# KiCad board BMS-Master.kicad_pcb
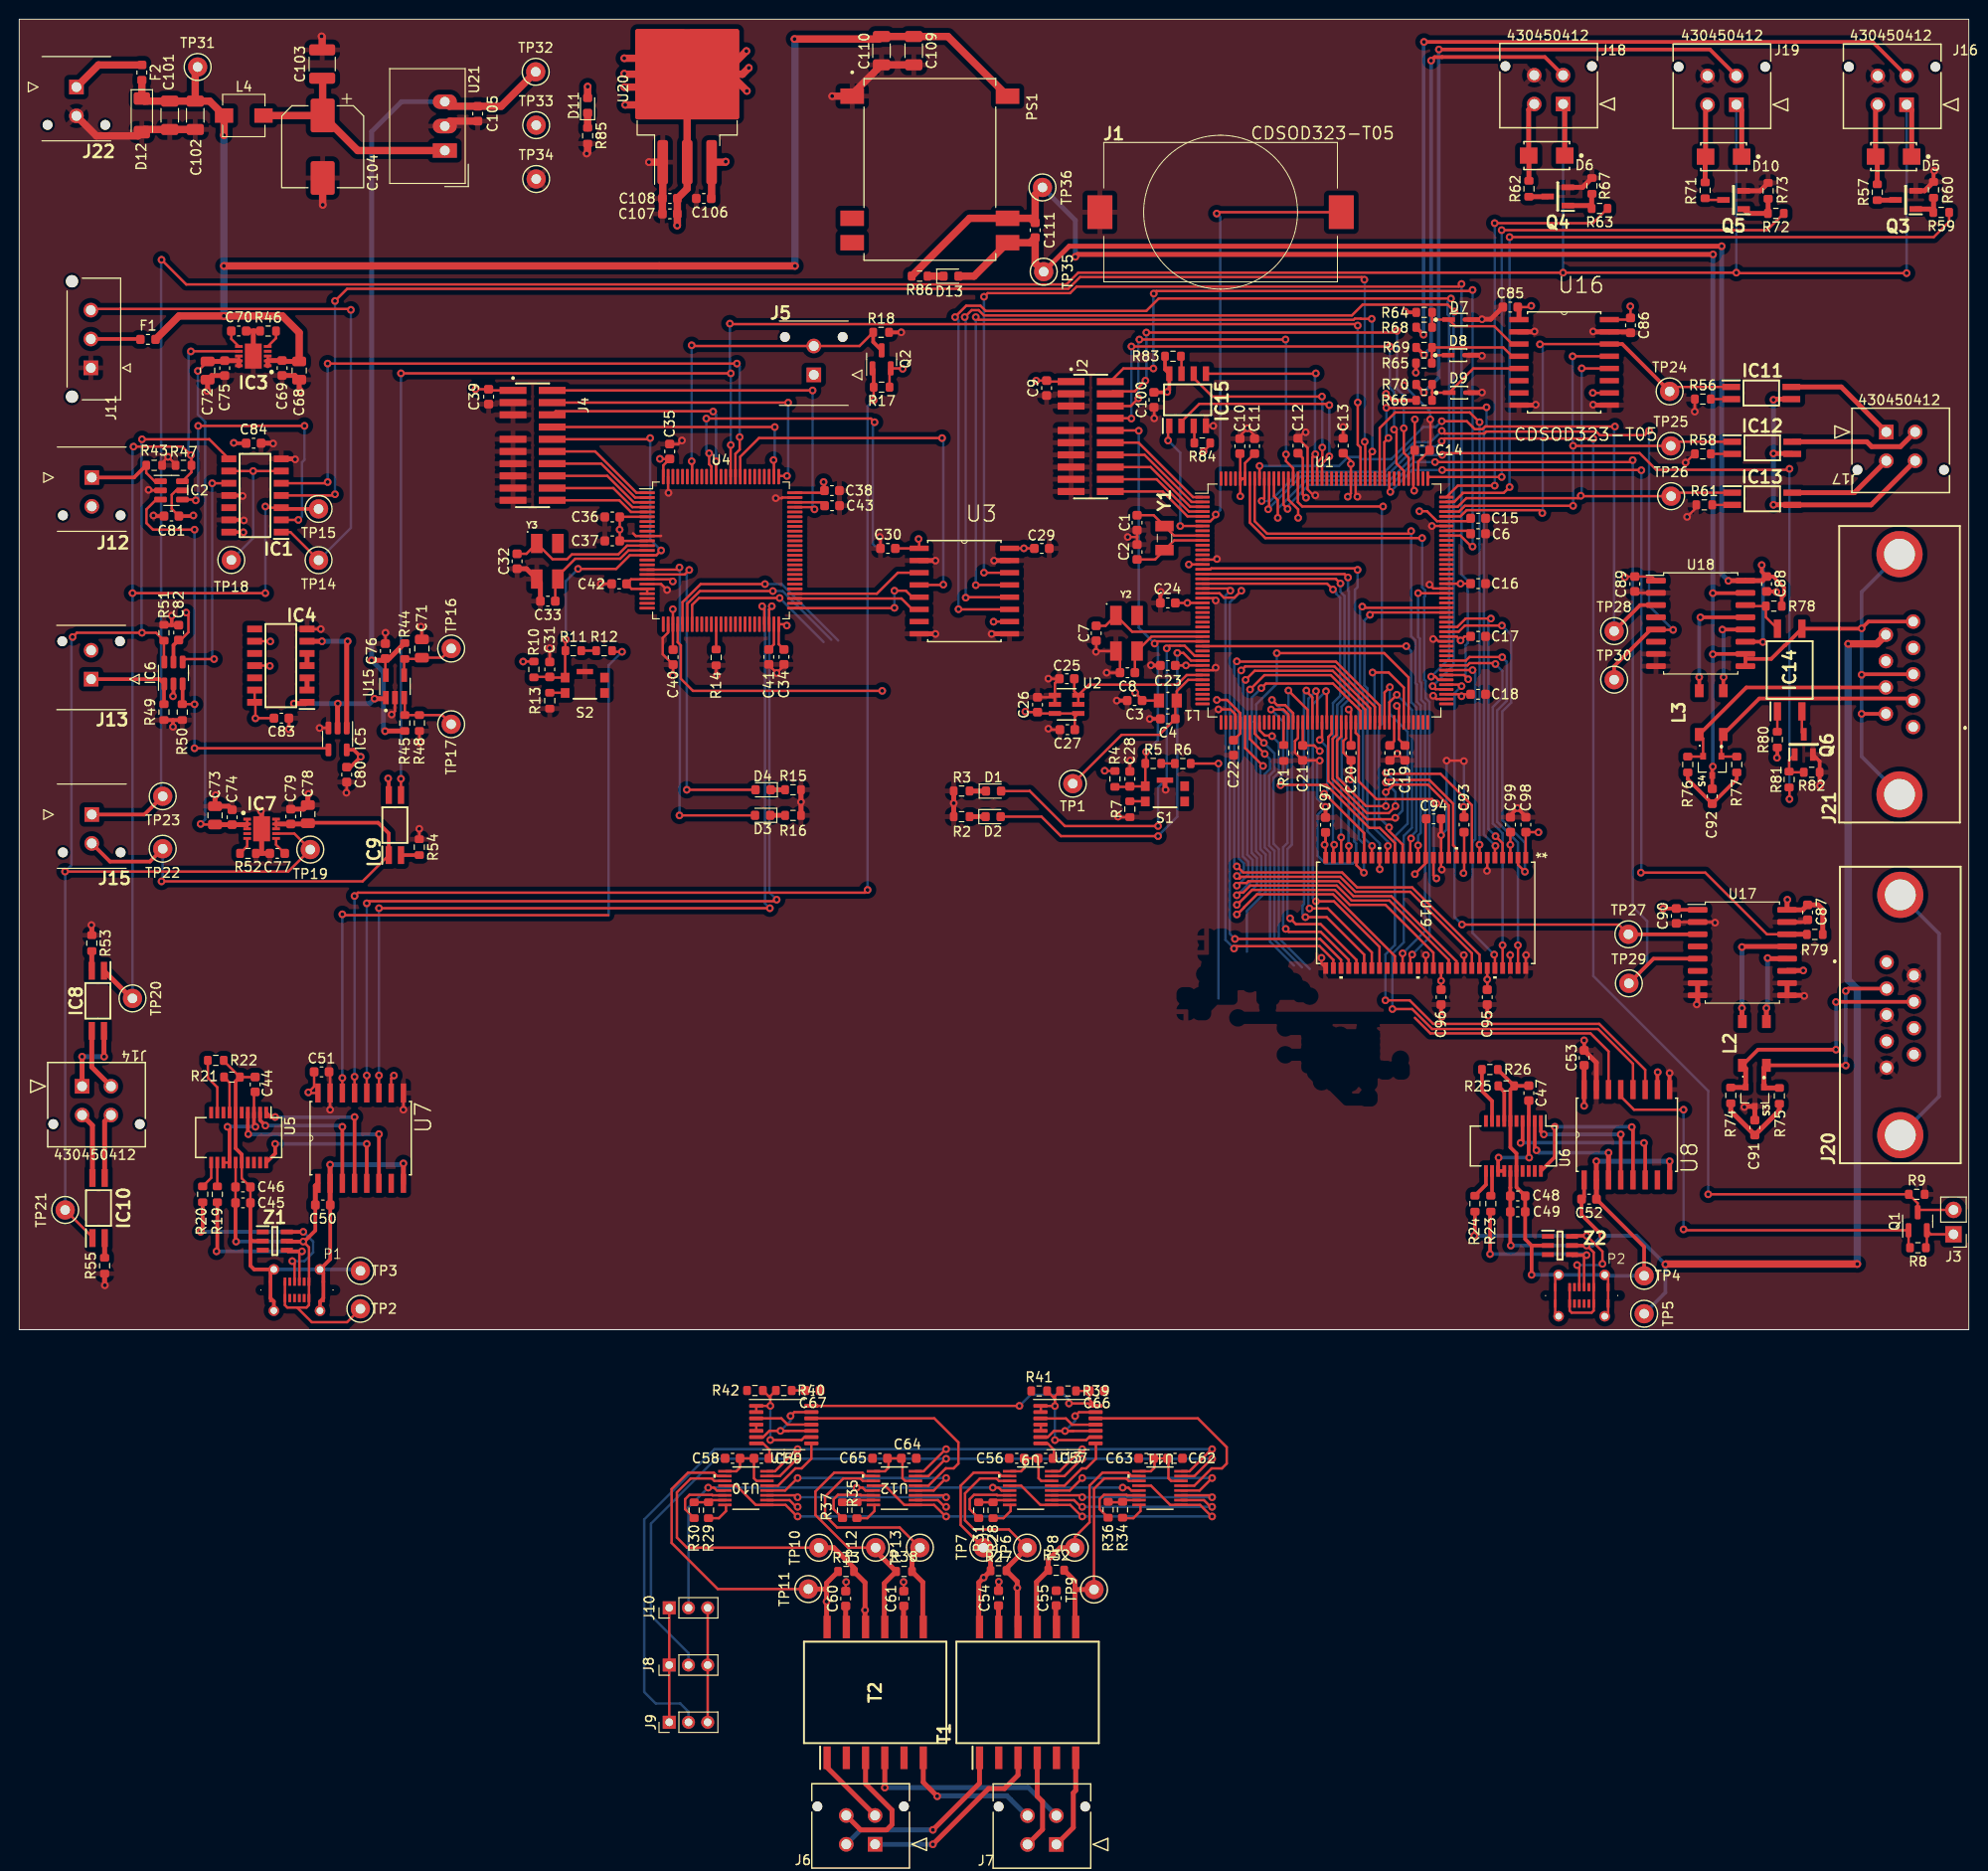
[diagram p0: board, top side]
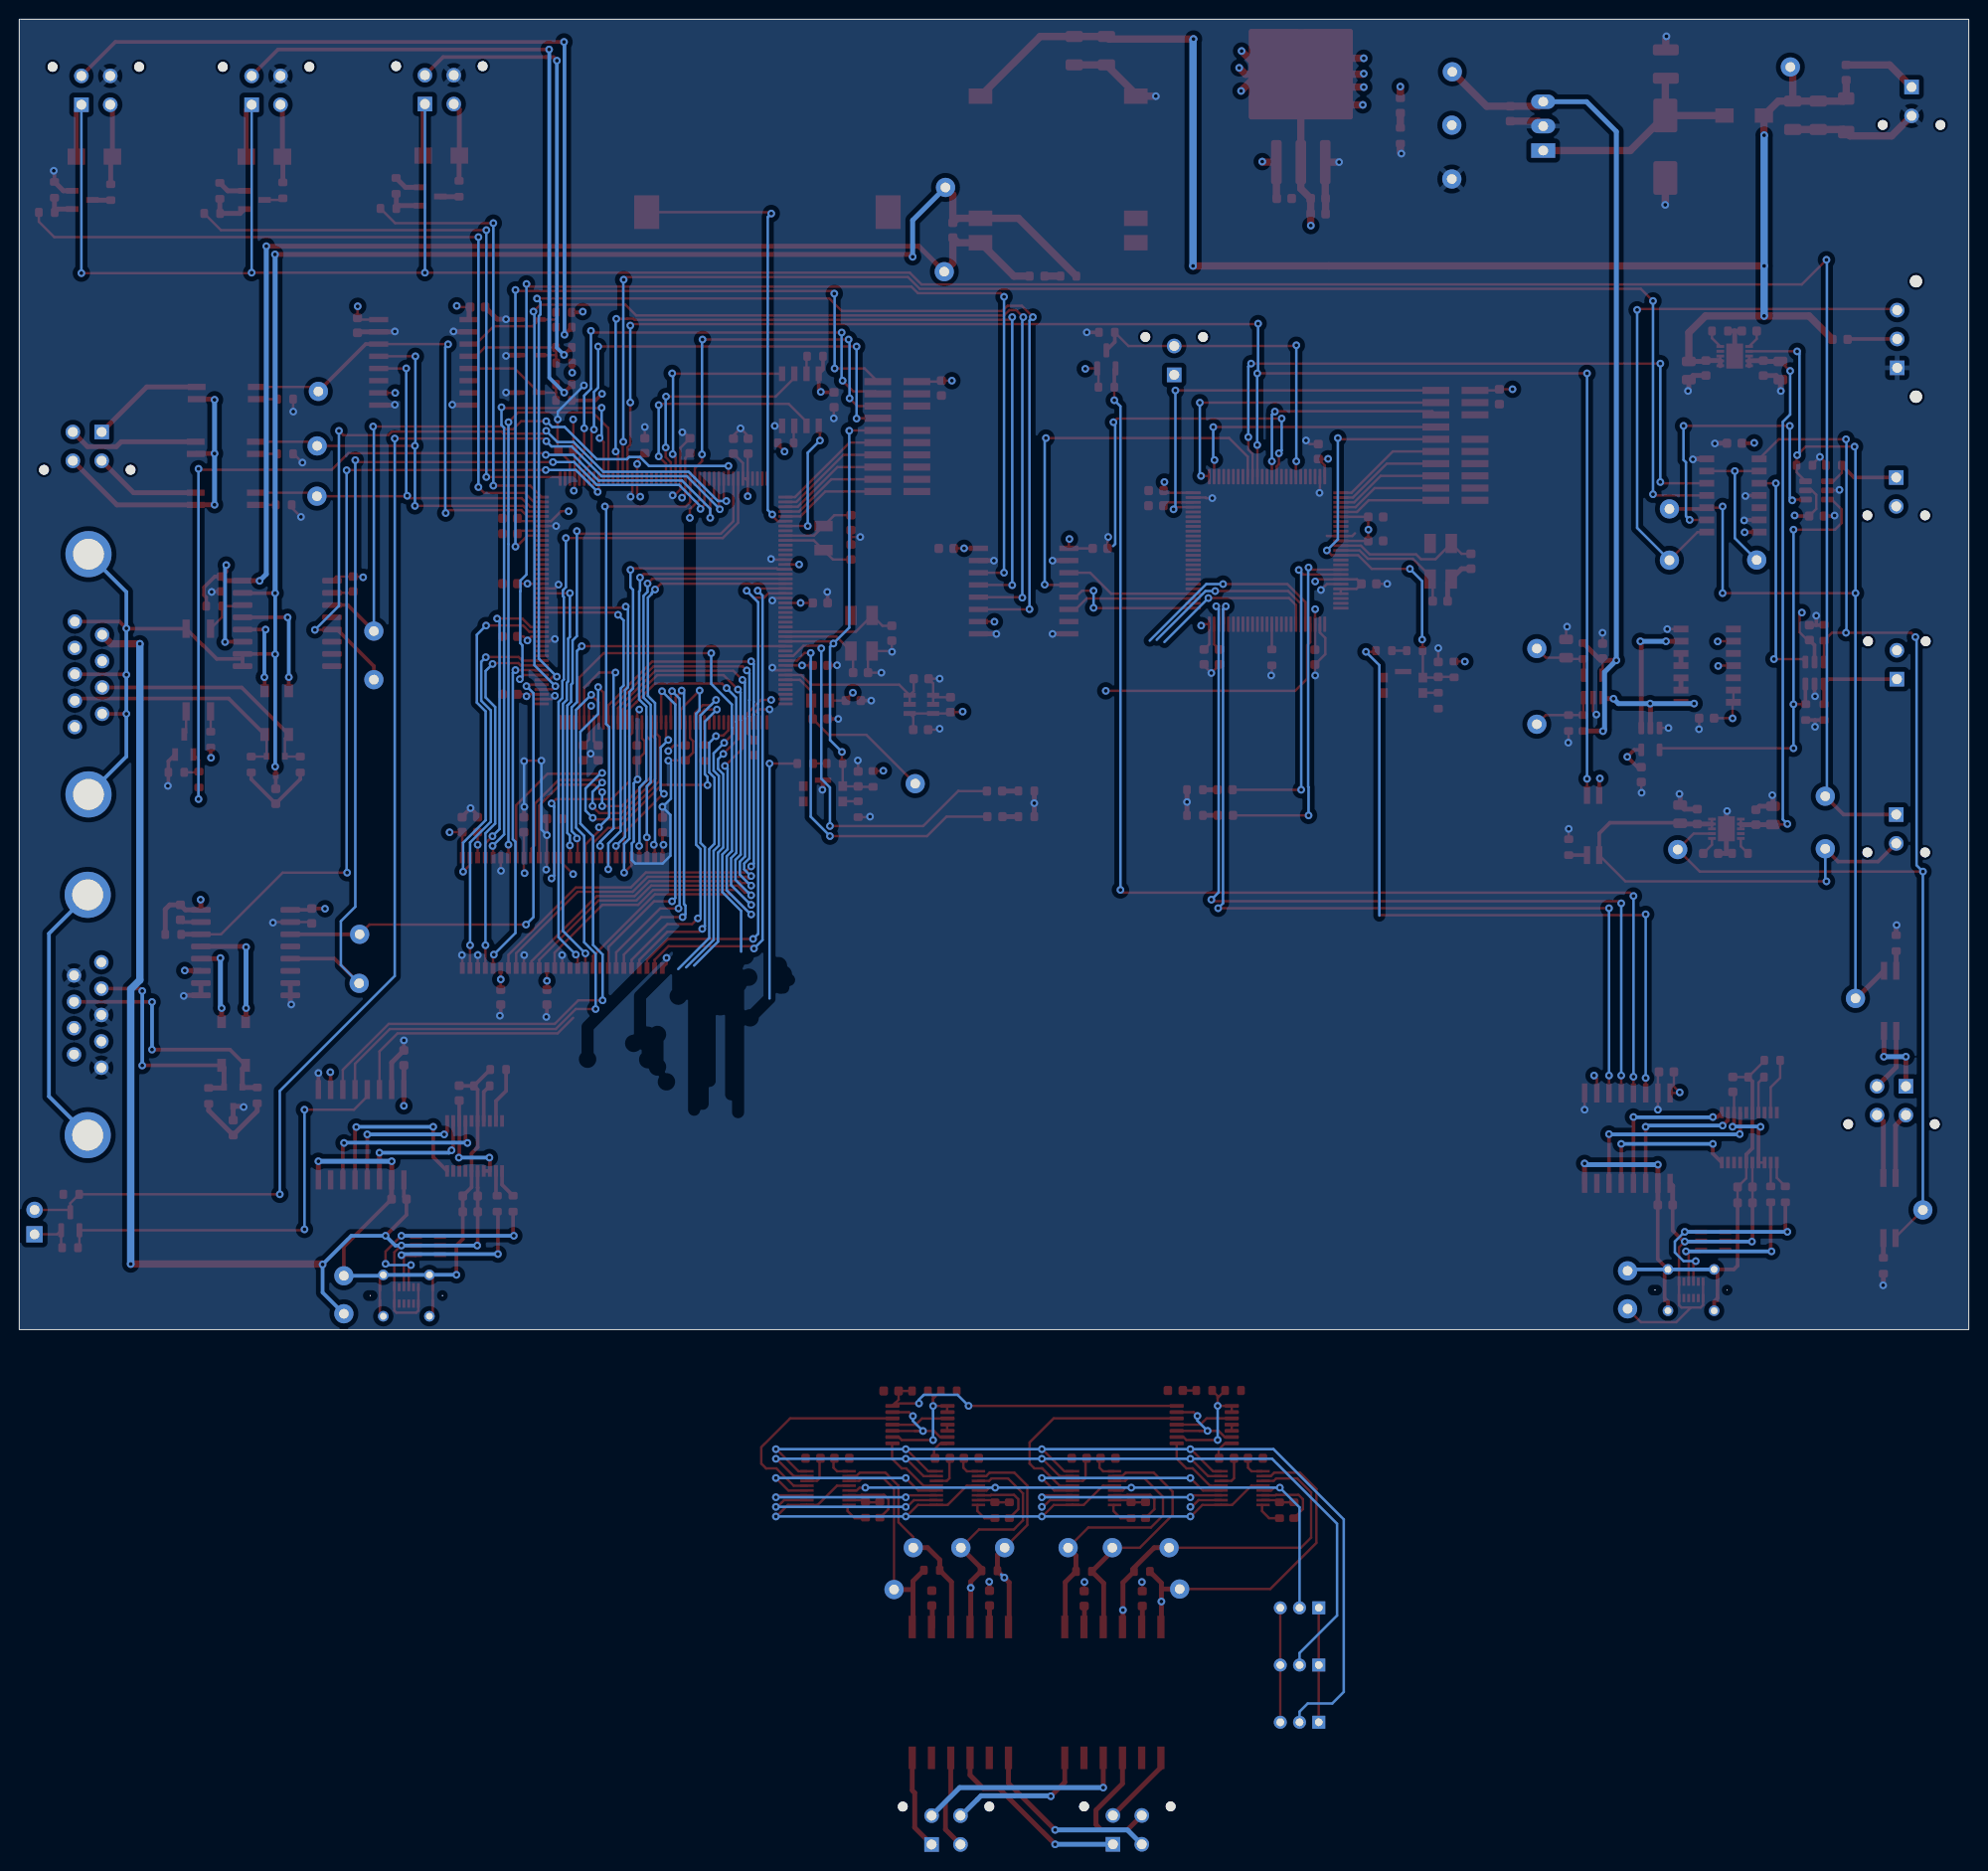
[diagram p1: board, bottom side, seen from below]

Outline 202.69 x 136.28 mm; copper layers: Top, In1.Cu, In2.Cu, Bottom. Coordinates in mm from the lower left corner of the outline.
Outline path: rectangle 0,136.28 202.69,0
Stack: Top 0.035mm / dielectric 0.1mm FR4 er 4.5 / In1.Cu 0.035mm / dielectric 1.24mm FR4 er 4.5 / In2.Cu 0.035mm / dielectric 0.1mm FR4 er 4.5 / Bottom 0.035mm

## Placement (name value [footprint] x y rotation side)
C1  18pF/50V  [C_0603_1608Metric]  116.22 83.92 270 top
C2  18pF/50V  [C_0603_1608Metric]  116.22 80.88 90 top
C3  100nF/50V  [C_0603_1608Metric]  115.97 65.42 180 top
C4  100nF/50V  [C_0603_1608Metric]  119.42 63.52 180 top
C5  2u2/10V  [C_0603_1608Metric]  142.5 59.98 270 top
C6  2u2/10V  [C_0603_1608Metric]  151.68 82.78 0 top
C7  18pF/50V  [C_0603_1608Metric]  111.97 72.42 270 top
C8  18pF/50V  [C_0603_1608Metric]  115.22 68.32 180 top
C9  100nF/50V  [C_0603_1608Metric]  106.82 97.93 270 top
C10  100nF/50V  [C_0603_1608Metric]  126.91 91.88 90 top
C11  100nF/50V  [C_0603_1608Metric]  128.44 91.88 90 top
C12  100nF/50V  [C_0603_1608Metric]  132.96 91.93 90 top
C13  100nF/50V  [C_0603_1608Metric]  137.66 91.93 90 top
C14  100nF/50V  [C_0603_1608Metric]  145.86 91.45 0 top
C15  100nF/50V  [C_0603_1608Metric]  151.68 84.38 0 top
C16  100nF/50V  [C_0603_1608Metric]  151.68 77.58 0 top
C17  100nF/50V  [C_0603_1608Metric]  151.68 72.1 0 top
C18  100nF/50V  [C_0603_1608Metric]  151.68 66.08 0 top
C19  100nF/50V  [C_0603_1608Metric]  144.08 59.98 270 top
C20  100nF/50V  [C_0603_1608Metric]  138.47 59.98 270 top
C21  100nF/50V  [C_0603_1608Metric]  133.44 59.98 270 top
C22  100nF/50V  [C_0603_1608Metric]  126.25 60.53 270 top
C23  100nF/50V  [C_0603_1608Metric]  119.42 69.08 180 top
C24  100nF/50V  [C_0603_1608Metric]  119.42 75.58 180 top
C25  100nF/50V  [C_0603_1608Metric]  108.92 67.7 180 top
C26  1uF/35V  [C_0603_1608Metric]  105.87 65 90 top
C27  100nF/50V  [C_0603_1608Metric]  108.97 62.4 180 top
C28  100nF/50V  [C_0603_1608Metric]  115.47 57.27 90 top
C29  100nF/50V  [C_0603_1608Metric]  106.32 81.25 180 top
C30  100nF/50V  [C_0603_1608Metric]  90.32 81.25 0 top
C31  100nF/50V  [C_0603_1608Metric]  55.16 68.66 90 top
C32  18pF/50V  [C_0603_1608Metric]  51.76 79.91 270 top
C33  18pF/50V  [C_0603_1608Metric]  54.96 75.76 180 top
C34  100nF/50V  [C_0603_1608Metric]  79.51 69.96 270 top
C35  100nF/50V  [C_0603_1608Metric]  67.63 91.33 90 top
C36  100nF/50V  [C_0603_1608Metric]  61.66 84.52 180 top
C37  100nF/50V  [C_0603_1608Metric]  61.66 82.03 180 top
C38  100nF/50V  [C_0603_1608Metric]  84.49 87.26 0 top
C39  100nF/50V  [C_0603_1608Metric]  48.8 97.03 270 top
C40  100nF/50V  [C_0603_1608Metric]  67.98 69.94 270 top
C41  2u2/10V  [C_0603_1608Metric]  77.94 69.96 270 top
C42  100nF/50V  [C_0603_1608Metric]  62.37 77.56 180 top
C43  2u2/10V  [C_0603_1608Metric]  84.51 85.69 0 top
C44  100n/50V  [C_0603_1608Metric]  24.53 25.5 90 top
C45  4u7/25V  [C_0603_1608Metric]  23.26 13.18 0 top
C46  100n/50V  [C_0603_1608Metric]  23.26 14.83 0 top
C47  100n/50V  [C_0603_1608Metric]  156.95 24.6 90 top
C48  4u7/25V  [C_0603_1608Metric]  155.8 13.9 0 top
C49  100n/50V  [C_0603_1608Metric]  155.8 12.25 0 top
C50  100n/50V  [C_0603_1608Metric]  31.56 12.97 180 top
C51  100n/50V  [C_0603_1608Metric]  31.43 26.81 180 top
C52  100n/50V  [C_0603_1608Metric]  163.21 13.57 180 top
C53  100n/50V  [C_0603_1608Metric]  162.71 28.27 270 top
C54  27pF/50V  [C_0603_1608Metric]  101.82 -27.92 270 top
C55  27pF/50V  [C_0603_1608Metric]  107.82 -27.92 270 top
C56  100n/50V  [C_0603_1608Metric]  103.7 -13.38 180 top
C57  100n/50V  [C_0603_1608Metric]  106.7 -13.38 0 top
C58  100n/50V  [C_0603_1608Metric]  74.17 -13.38 180 top
C59  100n/50V  [C_0603_1608Metric]  77.17 -13.38 0 top
C60  27pF/50V  [C_0603_1608Metric]  85.93 -27.97 270 top
C61  27pF/50V  [C_0603_1608Metric]  91.97 -27.97 270 top
C62  100n/50V  [C_0603_1608Metric]  120.17 -13.38 0 top
C63  100n/50V  [C_0603_1608Metric]  117.17 -13.38 180 top
C64  100n/50V  [C_0603_1608Metric]  92.49 -13.38 0 top
C65  100n/50V  [C_0603_1608Metric]  89.49 -13.38 180 top
C66  100n/50V  [C_0603_1608Metric]  112.04 -6.38 0 top
C67  100n/50V  [C_0603_1608Metric]  82.49 -6.33 0 top
C68  10u/50V  [C_0805_2012Metric]  29.11 99.75 270 top
C69  0.1u/50V  [C_0603_1608Metric]  27.33 100.01 270 top
C70  100nF/50V  [C_0603_1608Metric]  22.82 103.86 0 top
C71  68uF/50V  [C_0805_2012Metric]  41.86 70.83 90 top
C72  10u/50V  [C_0805_2012Metric]  19.58 99.75 270 top
C73  10u/50V  [C_0805_2012Metric]  20.36 53.48 90 top
C74  0.1u/50V  [C_0603_1608Metric]  22.13 53.29 90 top
C75  0.1u/50V  [C_0603_1608Metric]  21.36 100 270 top
C76  100n/50V  [C_0603_1608Metric]  38.07 70.57 90 top
C77  100nF/50V  [C_0603_1608Metric]  26.83 49.53 180 top
C78  10u/50V  [C_0805_2012Metric]  30.01 53.61 90 top
C79  0.1u/50V  [C_0603_1608Metric]  28.23 53.36 90 top
C80  100n/50V  [C_0603_1608Metric]  34.05 57.72 270 top
C81  100n/50V  [C_0603_1608Metric]  15.83 84.61 180 top
C82  100n/50V  [C_0603_1608Metric]  16.57 72.49 90 top
C83  100n/50V  [C_0603_1608Metric]  27.26 63.6 0 top
C84  100n/50V  [C_0603_1608Metric]  24.37 92.19 0 top
C85  100nF/50V  [C_0603_1608Metric]  155.03 106.35 0 top
C86  100nF/50V  [C_0603_1608Metric]  167.53 104.45 90 top
C87  100nF/50V  [C_0603_1608Metric]  185.94 43.4 90 top
C88  100nF/50V  [C_0603_1608Metric]  181.68 77.55 90 top
C89  100nF/50V  [C_0603_1608Metric]  167.97 77.55 90 top
C90  100nF/50V  [C_0603_1608Metric]  172.29 43.03 90 top
C91  1uF/35V  [C_0603_1608Metric]  180.45 21.01 90 top
C92  1uF/35V  [C_0603_1608Metric]  176.03 55.47 90 top
C93  100n/50V  [C_0603_1608Metric]  150.22 52.51 90 top
C94  100n/50V  [C_0603_1608Metric]  147.06 53.13 0 top
C95  100n/50V  [C_0603_1608Metric]  152.63 34.58 270 top
C96  100n/50V  [C_0603_1608Metric]  147.83 34.58 270 top
C97  100n/50V  [C_0603_1608Metric]  135.82 52.49 90 top
C98  100n/50V  [C_0603_1608Metric]  156.64 52.51 90 top
C99  100n/50V  [C_0603_1608Metric]  155.04 52.51 90 top
C100  100n/50V  [C_0603_1608Metric]  117.98 96.7 270 top
C101  10uF/50V  [C_1206_3216Metric]  15.65 126.29 270 top
C102  10uF/50V  [C_1206_3216Metric]  18.3 126.29 270 top
C103  10uF/50V  [C_1210_3225Metric]  31.5 131.62 90 top
C104  56uF/50V (8mm diameter)  [CP_Elec_8x10]  31.55 123.02 270 top
C105  100nF/50V  [C_0603_1608Metric]  47.66 126.46 270 top
C106  100nF/50V  [C_0603_1608Metric]  71.17 117.64 180 top
C107  1uF/35V  [C_0603_1608Metric]  67.65 116.04 180 top
C108  100nF/50V  [C_0603_1608Metric]  67.65 117.64 180 top
C109  47uF/25V  [C_1206_3216Metric]  93 133.02 270 top
C110  47uF/25V  [C_1206_3216Metric]  89.65 133.02 270 top
C111  100nF/50V  [C_0603_1608Metric]  105.63 114.35 90 top
D1  LED_RED  [LED_0603_1608Metric]  101.29 56.01 0 top
D2  LED_Green  [LED_0603_1608Metric]  101.25 53.35 0 top
D3  LED_RED  [LED_0603_1608Metric]  77.29 53.49 180 top
D4  LED_Green  [LED_0603_1608Metric]  77.34 56.15 180 top
D5  GF1B-E3_67A  [Diode_GF1B-E367A]  194.88 121.99 180 top
D6  GF1B-E3_67A  [Diode_GF1B-E367A]  158.81 122.1 180 top
D7  CDSOD323-T05  [Bourns_Inc.-SOD-323-0-0-IPC_B]  149.67 105.05 0 top
D8  CDSOD323-T05  [Bourns_Inc.-SOD-323-0-0-IPC_B]  149.62 101.35 0 top
D9  CDSOD323-T05  [Bourns_Inc.-SOD-323-0-0-IPC_B]  149.72 97.45 0 top
D10  GF1B-E3_67A  [Diode_GF1B-E367A]  177.21 121.99 180 top
D11  LED orange  [LED_0603_1608Metric]  59.1 127.32 90 top
D12  BZV55B15  [D_MiniMELF]  12.75 126.29 270 top
D13  LED orange  [LED_0603_1608Metric]  96.87 109.56 0 top
F1  0408002.WR  [Fuse_0603_1608Metric]  13.38 102.99 0 top
F2  0408007.WR  [Fuse_0603_1608Metric]  12.75 130.74 270 top
IC1  SN74LVC08AD  [SOIC127P600X175-14N]  24.52 86.75 180 top
IC2  SN74LVC1G332DBVR  [TSOT-23-6]  15.83 87.28 0 top
IC3  LS1205EF  [SON50P300X300X80-11N]  24.34 101.25 180 top
IC4  SN74HC04DR  [SOIC127P600X175-14N]  27.2 69.06 180 top
IC5  SN74LVC1G02DBVT  [TSOT-23-5]  33.1 61.44 270 top
IC6  SN74LVC1G332DBVR  [TSOT-23-6]  16.04 68.29 90 top
IC7  LS1205EF  [SON50P300X300X80-11N]  25.2 52.09 0 top
IC8  ACPL-217-56BE  [SOIC127P700X242-4N]  8.18 34.2 270 top
IC9  ACPL-217-56BE  [SOIC127P700X242-4N]  39.06 52.48 90 top
IC10  ACPL-217-56BE  [SOIC127P700X242-4N]  8.25 12.65 90 top
IC11  ACPL-217-56BE  [SOIC127P700X242-4N]  181.12 97.41 0 top
IC12  ACPL-217-56BE  [SOIC127P700X242-4N]  181.22 91.71 0 top
IC13  ACPL-217-56BE  [SOIC127P700X242-4N]  181.22 86.41 0 top
IC14  AQY-211EHA  [SOP254P962X315-4N]  184.07 68.6 90 top
IC15  M95M02-DRMN6TP  [SOIC127P600X175-8N]  121.48 96.7 90 top
J1  SMTU1632-LF.TR  [SMTU1632LFTR]  124.91 116.22 180 top
J2  FTSH-110-01-L-DV-007  [SAMTEC_FTSH-110-01-L-DV-007]  111.4 92.88 270 top
J3  Conn_01x02_Pin  [PinHeader_1x02_P2.54mm_Vertical]  201.11 9.91 180 top
J4  FTSH-110-01-L-DV-007  [SAMTEC_FTSH-110-01-L-DV-007]  53.37 91.97 270 top
J5  43045-0212  [43045-02YY_121314]  82.61 99.3 0 top
J6  430450412  [CON_430450412_MOL]  88.98 -53.53 0 top
J7  430450412  [CON_430450412_MOL]  107.83 -53.54 0 top
J8  Conn_01x03_Pin  [PinHeader_1x03_P2.00mm_Vertical]  67.58 -34.88 90 top
J9  Conn_01x03_Pin  [PinHeader_1x03_P2.00mm_Vertical]  67.58 -40.83 90 top
J10  Conn_01x03_Pin  [PinHeader_1x03_P2.00mm_Vertical]  67.58 -28.93 90 top
J11  436500327  [MOLEX_436500327]  7.44 100.03 270 top
J12  43045-0212  [43045-02YY_121314]  7.54 88.62 180 top
J13  43045-0212  [43045-02YY_121314]  7.48 67.65 0 top
J14  430450412  [CON_430450412_MOL]  6.54 25.31 180 top
J15  43045-0212  [43045-02YY_121314]  7.54 53.57 180 top
J16  430450412  [CON_430450412_MOL]  196.23 127.39 0 top
J17  430450412  [CON_430450412_MOL]  194.12 93.36 180 top
J18  430450412  [CON_430450412_MOL]  160.51 127.46 0 top
J19  430450412  [CON_430450412_MOL]  178.53 127.39 0 top
J20  DE9_Receptacle_MountingHoles  [L177TSEH09SOL2RM8]  194.16 38.2 90 top
J21  DE9_Receptacle_MountingHoles  [L177TSEH09SOL2RM8]  196.92 62.68 270 top
J22  43045-0212  [43045-02YY_121314]  5.94 129.23 180 top
L1  BLM21AG471SN1J  [IND_BLM21_0805_MUR]  119.42 65.42 180 top
L2  ACT45B 2000uH  [ACT45B1012PTL003]  180.41 29.76 90 top
L3  ACT45B 2000uH  [ACT45B1012PTL003]  175.93 64.17 90 top
L4  5.6uH  [L_TracoPower_TCK-141]  23.35 126.27 0 top
P1  USB_C_Plug_USB2.0  [molex 2193200001]  28.87 4.11 0 top
P2  USB_C_Plug_USB2.0  [molex 2193200001]  162.45 3.54 0 top
PS1  TRI_1-1211SM  [CONV_TRI_1-1211SM]  94.68 120.66 270 top
Q1  BSS84  [SOT-23]  197.39 11.27 90 top
Q2  BSS84  [SOT-23]  89.66 100.91 90 top
Q3  IRLML0100TRPBF  [SOT95P237X112-3N]  196.13 117.49 180 top
Q4  IRLML0100TRPBF  [SOT95P237X112-3N]  159.96 117.85 180 top
Q5  IRLML0100TRPBF  [SOT95P237X112-3N]  178.24 117.49 180 top
Q6  IRLML0100TRPBF  [SOT95P237X112-3N]  185.54 60.86 90 top
R1  10k  [R_0603_1608Metric]  131.47 59.97 90 top
R2  130  [R_0603_1608Metric]  97.98 53.35 180 top
R3  130  [R_0603_1608Metric]  97.98 56.02 180 top
R4  10k  [R_0603_1608Metric]  113.92 57.27 270 top
R5  680R  [R_0603_1608Metric]  117.9 58.88 0 top
R6  0R  [R_0603_1608Metric]  120.97 58.88 0 top
R7  0R  [R_0603_1608Metric]  115.47 54.12 270 top
R8  10k  [R_0603_1608Metric]  197.41 8.52 180 top
R9  10k  [R_0603_1608Metric]  197.29 14.07 0 top
R10  10k  [R_0603_1608Metric]  53.51 68.66 270 top
R11  680R  [R_0603_1608Metric]  57.61 70.61 0 top
R12  0R  [R_0603_1608Metric]  60.81 70.61 0 top
R13  0R  [R_0603_1608Metric]  55.16 65.41 270 top
R14  10k  [R_0603_1608Metric]  72.46 69.91 270 top
R15  130  [R_0603_1608Metric]  80.46 56.15 0 top
R16  130  [R_0603_1608Metric]  80.46 53.48 0 top
R17  10k  [R_0603_1608Metric]  89.66 98.02 180 top
R18  10k  [R_0603_1608Metric]  89.61 103.72 0 top
R19  27R  [R_0603_1608Metric]  20.59 14.07 90 top
R20  27R  [R_0603_1608Metric]  19.07 14.07 90 top
R21  0R  [R_0603_1608Metric]  22.12 26.26 0 top
R22  0R  [R_0603_1608Metric]  20.44 28.01 0 top
R23  27R  [R_0603_1608Metric]  153 13.1 90 top
R24  27R  [R_0603_1608Metric]  151.35 13.1 90 top
R25  0R  [R_0603_1608Metric]  154.6 25.35 0 top
R26  0R  [R_0603_1608Metric]  152.9 27.05 0 top
R27  120R  [R_0603_1608Metric]  101.82 -25.07 0 top
R28  820R  [R_0603_1608Metric]  101.25 -18.78 90 top
R29  820R  [R_0603_1608Metric]  71.67 -18.78 90 top
R30  1k2  [R_0603_1608Metric]  70.17 -18.78 90 top
R31  1k2  [R_0603_1608Metric]  99.75 -18.78 90 top
R32  120R  [R_0603_1608Metric]  107.82 -25.02 180 top
R33  120R  [R_0603_1608Metric]  85.96 -25.15 0 top
R34  820R  [R_0603_1608Metric]  114.72 -18.73 90 top
R35  820R  [R_0603_1608Metric]  87.09 -18.78 90 top
R36  1k2  [R_0603_1608Metric]  113.22 -18.73 90 top
R37  1k2  [R_0603_1608Metric]  85.59 -18.78 90 top
R38  120R  [R_0603_1608Metric]  92 -25.15 180 top
R39  20k  [R_0603_1608Metric]  109.04 -6.38 180 top
R40  20k  [R_0603_1608Metric]  79.49 -6.33 180 top
R41  0R  [R_0603_1608Metric]  106.04 -6.38 0 top
R42  0R  [R_0603_1608Metric]  76.49 -6.33 0 top
R43  10k  [R_0603_1608Metric]  14.03 89.89 180 top
R44  10k  [R_0603_1608Metric]  40.08 70.58 270 top
R45  1k  [R_0603_1608Metric]  40.08 63.09 90 top
R46  6k8  [R_0603_1608Metric]  25.87 103.86 180 top
R47  10k  [R_0603_1608Metric]  17.08 89.89 0 top
R48  10k  [R_0603_1608Metric]  41.61 63.09 270 top
R49  10k  [R_0603_1608Metric]  15.05 64.22 90 top
R50  10k  [R_0603_1608Metric]  16.95 64.22 90 top
R51  10k  [R_0603_1608Metric]  15.05 72.48 270 top
R52  6k8  [R_0603_1608Metric]  23.78 49.53 0 top
R53  130R  [R_0603_1608Metric]  7.55 40.2 270 top
R54  470R  [R_0603_1608Metric]  41.59 50.18 270 top
R55  130R  [R_0603_1608Metric]  8.88 6.65 90 top
R56  130R  [R_0603_1608Metric]  175.04 96.78 0 top
R57  1k  [R_0603_1608Metric]  193.18 118.29 270 top
R58  130R  [R_0603_1608Metric]  175.04 91.08 0 top
R59  10R  [R_0603_1608Metric]  199.83 116.19 180 top
R60  10k  [R_0603_1608Metric]  199.03 118.54 90 top
R61  130R  [R_0603_1608Metric]  175.19 85.78 0 top
R62  1k  [R_0603_1608Metric]  156.96 118.65 270 top
R63  10R  [R_0603_1608Metric]  164.31 116.6 180 top
R64  10k  [R_0603_1608Metric]  146.07 105.8 0 top
R65  10k  [R_0603_1608Metric]  146.05 100.52 0 top
R66  10k  [R_0603_1608Metric]  146.07 96.65 0 top
R67  10k  [R_0603_1608Metric]  163.51 118.95 90 top
R68  47R  [R_0603_1608Metric]  146.07 104.25 0 top
R69  47R  [R_0603_1608Metric]  146.07 102.15 0 top
R70  47R  [R_0603_1608Metric]  146.07 98.3 0 top
R71  1k  [R_0603_1608Metric]  175.29 118.49 270 top
R72  10R  [R_0603_1608Metric]  182.64 116.09 180 top
R73  10k  [R_0603_1608Metric]  181.84 118.44 90 top
R74  62R  [R_0603_1608Metric]  177.95 24.36 270 top
R75  62R  [R_0603_1608Metric]  183 24.31 270 top
R76  62R  [R_0603_1608Metric]  173.47 58.77 270 top
R77  62R  [R_0603_1608Metric]  178.57 58.77 270 top
R78  10k  [R_0603_1608Metric]  182.43 75.25 180 top
R79  10k  [R_0603_1608Metric]  186.69 41.1 0 top
R80  2k7  [R_0603_1608Metric]  182.79 61.36 90 top
R81  10R  [R_0603_1608Metric]  184.01 57.21 270 top
R82  10k  [R_0603_1608Metric]  186.37 57.96 0 top
R83  10k  [R_0603_1608Metric]  119.95 101.23 0 top
R84  10k  [R_0603_1608Metric]  123 92.22 180 top
R85  130R  [R_0603_1608Metric]  59.1 124.17 270 top
R86  200R  [R_0603_1608Metric]  93.61 109.56 180 top
S1  KMR221GLFS  [SW_KMR221GLFS]  119.12 55.72 0 top
S2  KMR221GLFS  [SW_KMR221GLFS]  58.81 67.01 0 top
S3  PESD1CAN_215  [DIO_PESD1CAN_215]  180.45 24.22 270 top
S4  PESD1CAN_215  [DIO_PESD1CAN_215]  176.03 58.64 270 top
T1  HM2102NL  [SOP200P1473X500-12N]  104.84 -37.73 90 top
T2  HM2102NL  [SOP200P1473X500-12N]  88.99 -37.73 90 top
TP1  TestPoint  [TestPoint_Keystone_5000-5004_Miniature]  109.54 56.78 0 top
TP2  TestPoint  [TestPoint_Keystone_5000-5004_Miniature]  35.47 2.16 0 top
TP3  TestPoint  [TestPoint_Keystone_5000-5004_Miniature]  35.47 6.11 0 top
TP4  TestPoint  [TestPoint_Keystone_5000-5004_Miniature]  168.94 5.6 0 top
TP5  TestPoint  [TestPoint_Keystone_5000-5004_Miniature]  168.94 1.65 270 top
TP6  TestPoint  [TestPoint_Keystone_5000-5004_Miniature]  104.79 -22.68 90 top
TP7  TestPoint  [TestPoint_Keystone_5000-5004_Miniature]  100.24 -22.68 90 top
TP8  TestPoint  [TestPoint_Keystone_5000-5004_Miniature]  109.74 -22.68 90 top
TP9  TestPoint  [TestPoint_Keystone_5000-5004_Miniature]  111.74 -27.03 90 top
TP10  TestPoint  [TestPoint_Keystone_5000-5004_Miniature]  83.14 -22.68 90 top
TP11  TestPoint  [TestPoint_Keystone_5000-5004_Miniature]  82.04 -26.98 90 top
TP12  TestPoint  [TestPoint_Keystone_5000-5004_Miniature]  89.04 -22.68 90 top
TP13  TestPoint  [TestPoint_Keystone_5000-5004_Miniature]  93.64 -22.68 90 top
TP14  TestPoint  [TestPoint_Keystone_5000-5004_Miniature]  31.12 80.02 180 top
TP15  TestPoint  [TestPoint_Keystone_5000-5004_Miniature]  31.12 85.36 180 top
TP16  TestPoint  [TestPoint_Keystone_5000-5004_Miniature]  44.91 70.83 90 top
TP17  TestPoint  [TestPoint_Keystone_5000-5004_Miniature]  44.91 62.96 90 top
TP18  TestPoint  [TestPoint_Keystone_5000-5004_Miniature]  22.05 80.04 0 top
TP19  TestPoint  [TestPoint_Keystone_5000-5004_Miniature]  30.26 49.93 0 top
TP20  TestPoint  [TestPoint_Keystone_5000-5004_Miniature]  11.78 34.45 90 top
TP21  TestPoint  [TestPoint_Keystone_5000-5004_Miniature]  4.78 12.45 90 top
TP22  TestPoint  [TestPoint_Keystone_5000-5004_Miniature]  14.92 50.01 180 top
TP23  TestPoint  [TestPoint_Keystone_5000-5004_Miniature]  14.92 55.47 180 top
TP24  TestPoint  [TestPoint_Keystone_5000-5004_Miniature]  171.59 97.58 0 top
TP25  TestPoint  [TestPoint_Keystone_5000-5004_Miniature]  171.72 91.91 0 top
TP26  TestPoint  [TestPoint_Keystone_5000-5004_Miniature]  171.74 86.68 0 top
TP27  TestPoint  [TestPoint_Keystone_5000-5004_Miniature]  167.31 41.11 0 top
TP28  TestPoint  [TestPoint_Keystone_5000-5004_Miniature]  165.83 72.65 0 top
TP29  TestPoint  [TestPoint_Keystone_5000-5004_Miniature]  167.36 36.01 0 top
TP30  TestPoint  [TestPoint_Keystone_5000-5004_Miniature]  165.83 67.6 0 top
TP31  TestPoint  [TestPoint_Keystone_5000-5004_Miniature]  18.55 131.32 0 top
TP32  TestPoint  [TestPoint_Keystone_5000-5004_Miniature]  53.7 130.82 0 top